# KiCad board spleeb.kicad_pcb (continued)
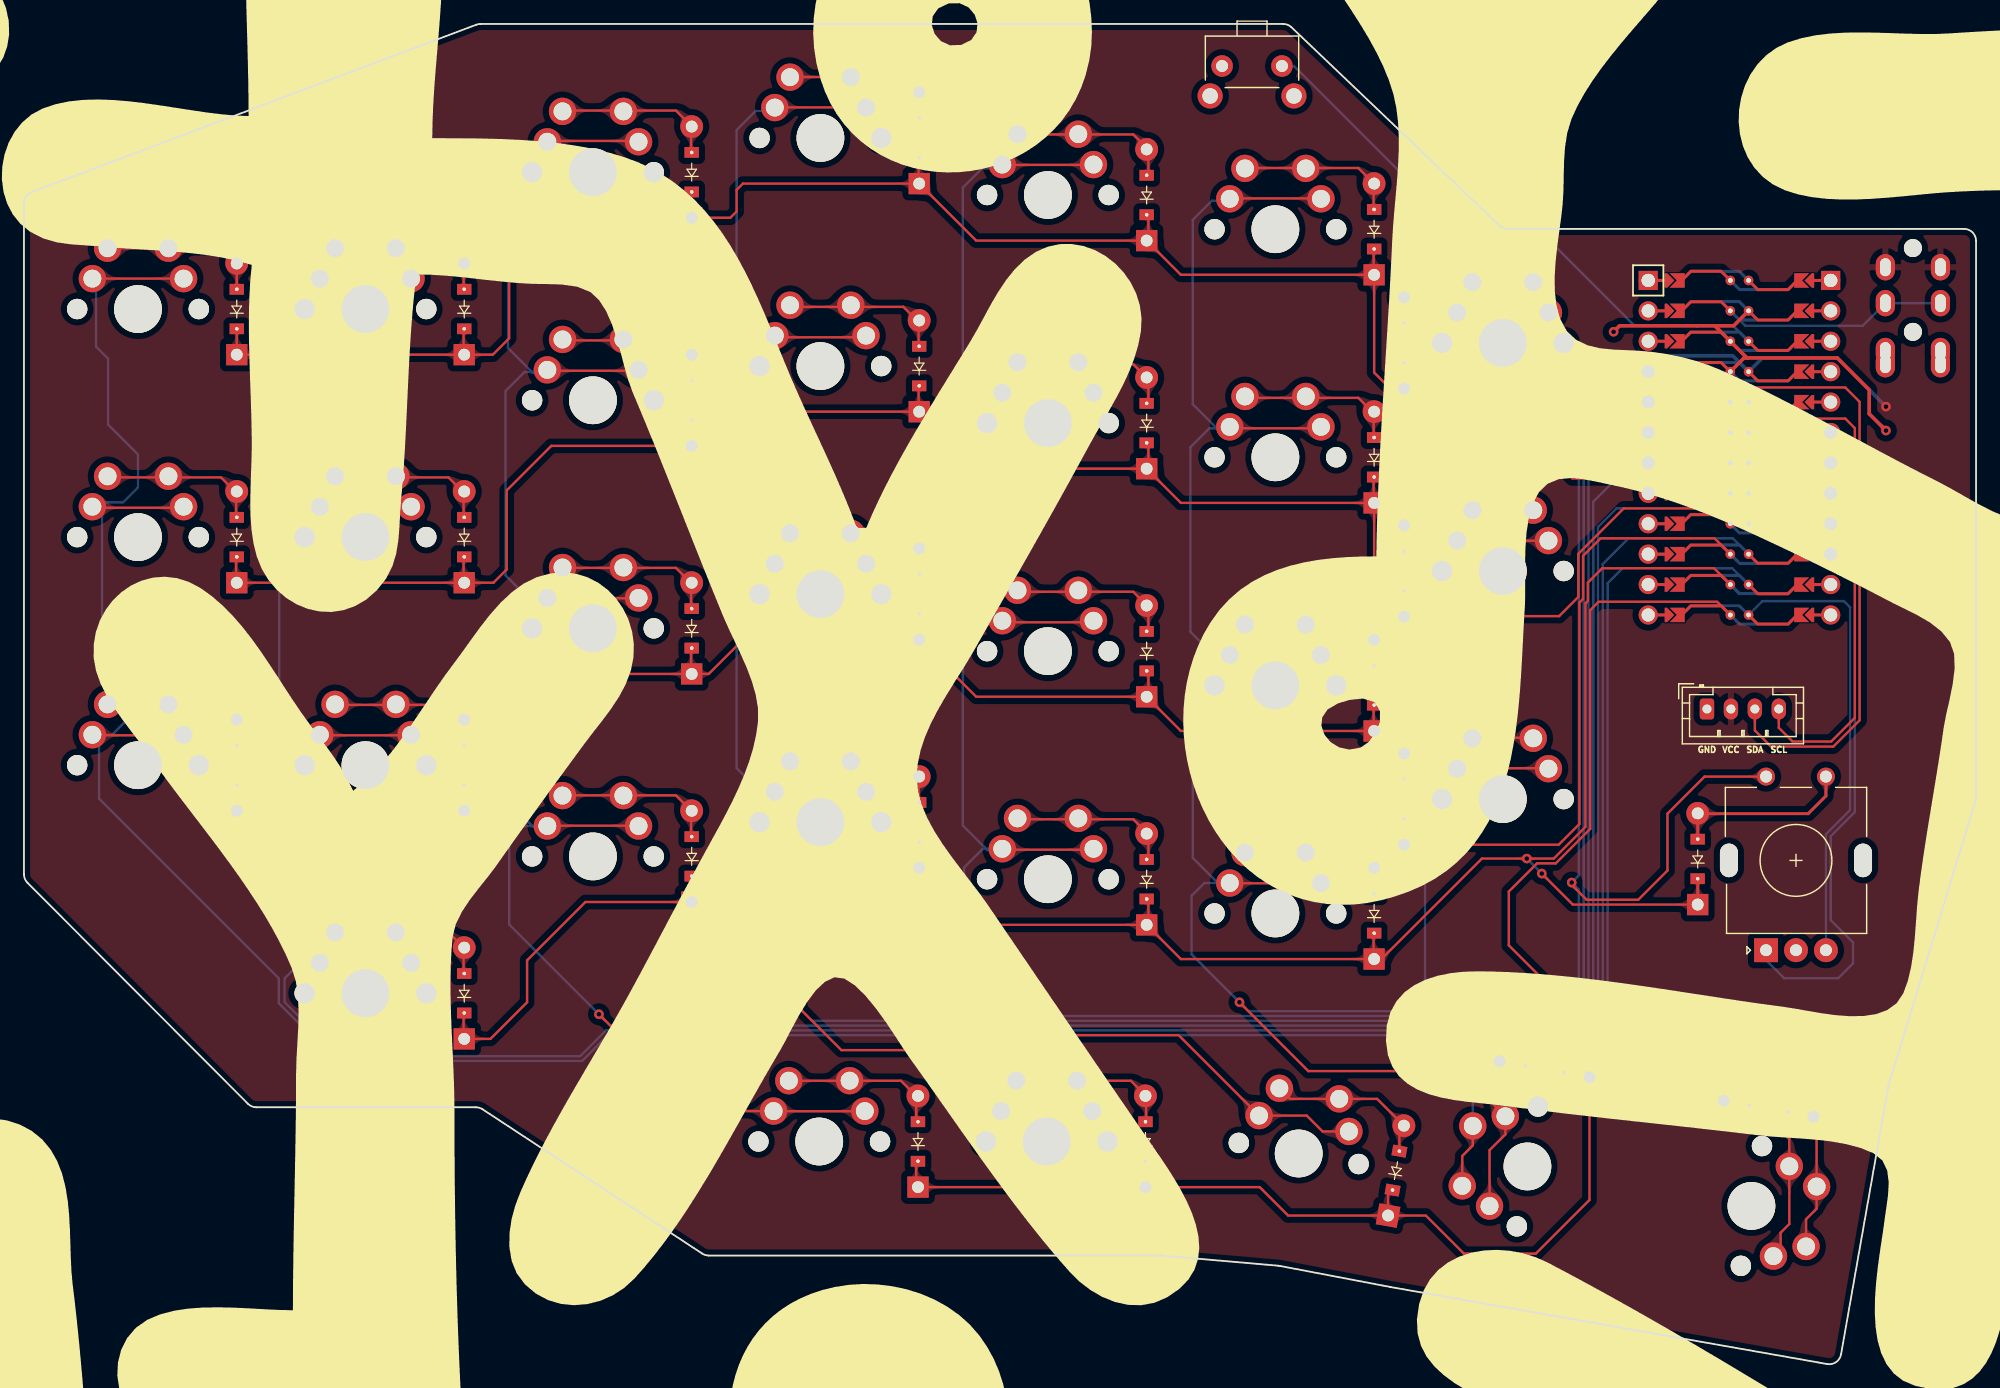
[diagram p0: board, top side]
## Copper pours and planes (outline as drawn; the poured copper is in the pictures) (continued)
index_col on Top: 83.99,81.06 83.73,81.08 83.52,81.12 83.35,81.19 83.21,81.28 83.08,81.39 82.96,81.51 82.84,81.64 82.71,81.78 82.55,81.93 82.36,82.08 81.15,81.22 82.05,80.04 82.29,80.13 82.49,80.23 82.66,80.34 82.82,80.45 82.96,80.56 83.11,80.65 83.27,80.74 83.47,80.8 83.7,80.85 83.99,80.86
index_col on Top: 87.2,100.06 87.46,100.04 87.67,100 87.83,99.93 87.97,99.84 88.1,99.73 88.34,99.5 88.49,99.37 88.66,99.26 88.86,99.15 89.91,100.2 88.81,101.2 88.61,101.08 88.45,100.96 88.31,100.83 88.19,100.71 88.08,100.59 87.96,100.48 87.82,100.39 87.66,100.32 87.45,100.28 87.2,100.26
index_col on Top: 87.2,61.86 87.47,61.84 87.68,61.8 87.86,61.73 88.01,61.64 88.14,61.54 88.27,61.43 88.41,61.31 88.56,61.2 88.75,61.1 88.97,61 89.9,62.16 88.71,63.04 88.53,62.91 88.38,62.77 88.26,62.64 88.15,62.51 88.04,62.39 87.93,62.28 87.8,62.19 87.64,62.12 87.45,62.08 87.2,62.06
index_col on Bottom: 79.73,81.42 79.89,81.27 80.02,81.14 80.14,81.03 80.25,80.94 80.44,80.77 80.54,80.68 80.65,80.58 80.77,80.47 80.91,80.33 82.26,81.31 80.93,81.97 80.82,81.86 80.72,81.76 80.62,81.65 80.52,81.56 80.42,81.49 80.31,81.43 80.21,81.41 80.1,81.42 79.99,81.47 79.87,81.56
index_col on Bottom: 79.74,99.44 79.92,99.59 80.1,99.66 80.26,99.67 80.42,99.62 80.58,99.54 80.75,99.43 80.92,99.32 81.11,99.21 81.32,99.11 81.55,99.06 82.26,100.36 80.91,100.99 80.74,100.83 80.6,100.68 80.48,100.55 80.38,100.43 80.18,100.2 80.06,100.07 79.94,99.93 79.78,99.77 79.6,99.58
index_col on Bottom: 79.73,43.52 79.9,43.35 80.04,43.2 80.16,43.07 80.25,42.96 80.43,42.74 80.53,42.63 80.63,42.51 80.76,42.38 80.91,42.23 82.28,43.1 81.1,44 80.96,43.9 80.83,43.8 80.71,43.71 80.59,43.62 80.48,43.55 80.36,43.5 80.25,43.48 80.13,43.5 80.01,43.55 79.87,43.66
index_col on Bottom: 79.64,80.54 79.83,80.7 80.01,80.76 80.18,80.76 80.34,80.7 80.5,80.6 80.66,80.47 80.84,80.34 81.03,80.2 81.24,80.09 81.48,80.02 82.27,81.27 80.91,81.94 80.74,81.78 80.6,81.65 80.47,81.54 80.34,81.44 80.11,81.24 79.98,81.14 79.84,81.01 79.68,80.86 79.49,80.68
index_col on Bottom: 79.69,42.49 79.85,42.63 80,42.69 80.15,42.7 80.29,42.66 80.42,42.58 80.56,42.48 80.71,42.36 80.87,42.23 81.03,42.11 81.22,42.01 82.29,43.04 80.91,43.84 80.75,43.69 80.61,43.56 80.48,43.45 80.37,43.36 80.14,43.17 80.02,43.07 79.88,42.95 79.73,42.81 79.55,42.63
index_col on Bottom: 79.74,61.54 79.91,61.68 80.07,61.74 80.21,61.74 80.36,61.68 80.5,61.59 80.64,61.47 80.79,61.34 80.96,61.21 81.14,61.1 81.34,61.01 82.28,62.15 80.91,62.89 80.75,62.74 80.62,62.61 80.5,62.5 80.38,62.41 80.17,62.22 80.05,62.12 79.92,62 79.77,61.86 79.6,61.68
index_col on Bottom: 79.63,62.32 79.8,62.17 79.94,62.04 80.07,61.94 80.18,61.85 80.4,61.7 80.51,61.62 80.63,61.53 80.76,61.42 80.91,61.28 82.27,62.22 80.98,62.96 80.85,62.85 80.73,62.72 80.61,62.6 80.5,62.49 80.38,62.4 80.27,62.33 80.15,62.3 80.03,62.3 79.91,62.36 79.77,62.46
index_home on Top: 85.27,64.6 85,64.62 84.79,64.66 84.62,64.73 84.47,64.82 84.34,64.92 84.22,65.05 84.09,65.18 83.96,65.31 83.79,65.45 83.59,65.59 82.42,64.69 83.37,63.55 83.61,63.65 83.8,63.76 83.97,63.87 84.26,64.09 84.4,64.19 84.56,64.28 84.75,64.34 84.99,64.39 85.27,64.4
index_home on Top: 94.03,61.46 94.04,61.7 94.07,61.89 94.13,62.05 94.19,62.19 94.27,62.32 94.36,62.44 94.44,62.57 94.53,62.71 94.61,62.88 94.69,63.08 93.7,63.83 92.99,62.81 93.11,62.65 93.23,62.52 93.35,62.41 93.46,62.31 93.56,62.22 93.65,62.11 93.72,61.99 93.78,61.85 93.81,61.67 93.83,61.46
index_home on Top: 90.35,64.6 90.08,64.62 89.87,64.66 89.7,64.73 89.55,64.82 89.42,64.92 89.3,65.05 89.17,65.18 89.04,65.31 88.87,65.45 88.67,65.59 87.5,64.69 88.45,63.55 88.69,63.65 88.88,63.76 89.05,63.87 89.34,64.09 89.48,64.19 89.64,64.28 89.83,64.34 90.07,64.39 90.35,64.4
index_home on Top: 92.54,64.4 92.71,64.38 92.82,64.32 92.88,64.22 92.9,64.1 92.89,63.95 92.87,63.79 92.84,63.61 92.83,63.43 92.83,63.24 92.87,63.06 94.1,63.01 93.78,64.31 93.62,64.32 93.49,64.34 93.38,64.37 93.28,64.41 93.09,64.5 92.98,64.54 92.86,64.57 92.71,64.59 92.54,64.6
index_home on Top: 85.93,64.4 86.2,64.38 86.41,64.34 86.59,64.27 86.74,64.18 86.87,64.08 87,63.97 87.14,63.85 87.29,63.74 87.48,63.64 87.7,63.54 88.63,64.7 87.44,65.58 87.26,65.45 87.11,65.31 86.99,65.18 86.88,65.05 86.77,64.93 86.66,64.82 86.53,64.73 86.37,64.66 86.18,64.62 85.93,64.6
index_number on Top: 85.28,102.8 85.01,102.82 84.78,102.86 84.6,102.93 84.45,103.02 84.31,103.12 84.18,103.24 84.05,103.36 83.9,103.49 83.72,103.62 83.51,103.74 82.41,102.74 83.46,101.69 83.68,101.8 83.87,101.93 84.02,102.05 84.16,102.17 84.3,102.29 84.44,102.39 84.59,102.47 84.78,102.54 85,102.59 85.28,102.6
index_number on Top: 92.54,102.6 92.71,102.58 92.82,102.52 92.89,102.42 92.91,102.3 92.9,102.15 92.88,101.98 92.85,101.8 92.83,101.61 92.82,101.43 92.85,101.24 94.07,101.09 93.78,102.41 93.62,102.42 93.49,102.45 93.38,102.49 93.28,102.55 93.18,102.6 93.09,102.66 92.98,102.72 92.86,102.76 92.72,102.79 92.54,102.8
index_number on Top: 90.36,102.8 90.09,102.82 89.86,102.86 89.68,102.93 89.53,103.02 89.39,103.12 89.26,103.24 89.13,103.36 88.98,103.49 88.8,103.62 88.59,103.74 87.49,102.74 88.54,101.69 88.76,101.8 88.95,101.93 89.1,102.05 89.24,102.17 89.38,102.29 89.52,102.39 89.67,102.47 89.86,102.54 90.08,102.59 90.36,102.6
index_number on Top: 85.93,102.6 86.19,102.58 86.4,102.54 86.56,102.47 86.7,102.38 86.83,102.27 87.07,102.04 87.22,101.91 87.39,101.8 87.59,101.69 88.64,102.74 87.54,103.74 87.34,103.62 87.18,103.5 87.04,103.37 86.92,103.25 86.81,103.13 86.69,103.02 86.55,102.93 86.39,102.86 86.18,102.82 85.93,102.8
index_number on Top: 94.03,99.56 94.04,99.8 94.07,99.99 94.13,100.15 94.19,100.29 94.27,100.42 94.36,100.54 94.44,100.67 94.53,100.81 94.61,100.98 94.69,101.18 93.7,101.93 92.99,100.91 93.11,100.75 93.23,100.62 93.35,100.51 93.46,100.41 93.56,100.32 93.65,100.21 93.72,100.09 93.78,99.95 93.81,99.77 93.83,99.56
index_top on Top: 94.03,80.51 94.04,80.75 94.07,80.94 94.13,81.1 94.19,81.24 94.27,81.37 94.36,81.49 94.44,81.62 94.53,81.76 94.61,81.93 94.69,82.13 93.7,82.88 92.99,81.86 93.11,81.7 93.23,81.57 93.35,81.46 93.46,81.36 93.56,81.27 93.65,81.16 93.72,81.04 93.78,80.9 93.81,80.72 93.83,80.51
index_top on Top: 92.54,83.4 92.71,83.38 92.82,83.32 92.88,83.22 92.89,83.1 92.89,82.95 92.87,82.79 92.84,82.61 92.83,82.43 92.84,82.25 92.88,82.07 94.12,82.08 93.78,83.36 93.62,83.37 93.49,83.38 93.38,83.41 93.28,83.44 93.08,83.52 92.98,83.55 92.86,83.58 92.71,83.59 92.54,83.6
index_top on Top: 90.34,83.6 90.08,83.62 89.87,83.66 89.7,83.73 89.56,83.82 89.43,83.93 89.31,84.05 89.19,84.18 89.06,84.32 88.9,84.47 88.71,84.62 87.5,83.76 88.4,82.58 88.64,82.67 88.84,82.77 89.01,82.88 89.17,82.99 89.31,83.1 89.46,83.19 89.62,83.28 89.82,83.34 90.05,83.39 90.34,83.4
index_top on Top: 85.26,83.6 85,83.62 84.79,83.66 84.62,83.73 84.48,83.82 84.35,83.93 84.23,84.05 84.11,84.18 83.98,84.32 83.82,84.47 83.63,84.62 82.42,83.76 83.32,82.58 83.56,82.67 83.76,82.77 83.93,82.88 84.09,82.99 84.23,83.1 84.38,83.19 84.54,83.28 84.74,83.34 84.97,83.39 85.26,83.4
index_top on Top: 85.93,83.4 86.2,83.38 86.42,83.34 86.6,83.27 86.76,83.18 86.9,83.08 87.03,82.97 87.17,82.86 87.33,82.76 87.52,82.66 87.75,82.58 88.63,83.78 87.4,84.6 87.22,84.46 87.08,84.32 86.96,84.18 86.86,84.05 86.76,83.93 86.65,83.82 86.52,83.73 86.36,83.66 86.17,83.62 85.93,83.6
inner_bottom on Top: 104.77,42.6 105.05,42.59 105.27,42.54 105.46,42.47 105.61,42.39 105.75,42.28 105.88,42.17 106.02,42.05 106.18,41.92 106.36,41.8 106.58,41.68 107.64,42.73 106.55,43.74 106.33,43.62 106.16,43.49 106,43.36 105.87,43.24 105.74,43.12 105.6,43.02 105.45,42.93 105.27,42.86 105.04,42.82 104.77,42.8
inner_bottom on Top: 111.37,42.6 111.57,42.58 111.7,42.51 111.78,42.4 111.82,42.26 111.83,42.09 111.82,41.91 111.81,41.71 111.81,41.5 111.83,41.29 111.89,41.09 113.13,41.13 112.78,42.4 112.6,42.41 112.45,42.44 112.32,42.49 112.21,42.54 112.1,42.6 111.99,42.66 111.87,42.71 111.73,42.76 111.57,42.79 111.37,42.8
inner_bottom on Top: 109.3,42.8 109.03,42.82 108.82,42.86 108.64,42.93 108.49,43.02 108.36,43.12 108.24,43.24 108.11,43.36 107.96,43.49 107.79,43.62 107.58,43.74 106.49,42.73 107.55,41.68 107.76,41.8 107.94,41.92 108.09,42.04 108.22,42.17 108.35,42.28 108.48,42.38 108.63,42.47 108.81,42.54 109.03,42.59 109.3,42.6
inner_bottom on Top: 112.83,39.54 112.84,39.76 112.87,39.94 112.93,40.09 113,40.22 113.08,40.33 113.18,40.44 113.28,40.55 113.39,40.67 113.5,40.81 113.61,40.99 112.8,41.92 111.9,41.08 111.99,40.89 112.09,40.73 112.18,40.6 112.28,40.48 112.37,40.37 112.45,40.25 112.52,40.12 112.58,39.96 112.61,39.77 112.63,39.54
inner_bottom on Top: 104.22,42.8 103.95,42.82 103.74,42.86 103.56,42.93 103.41,43.02 103.28,43.12 103.16,43.24 103.03,43.36 102.88,43.49 102.71,43.62 102.5,43.74 101.41,42.73 102.47,41.68 102.68,41.8 102.86,41.92 103.01,42.04 103.14,42.17 103.27,42.28 103.4,42.38 103.55,42.47 103.73,42.54 103.95,42.59 104.22,42.6
inner_col on Top: 102.95,97.46 102.68,97.48 102.46,97.52 102.28,97.59 102.13,97.68 102,97.78 101.87,97.89 101.73,98.02 101.58,98.14 101.4,98.26 101.18,98.37 100.14,97.31 101.24,96.32 101.45,96.44 101.62,96.57 101.77,96.7 101.9,96.82 102.02,96.94 102.15,97.04 102.3,97.13 102.47,97.2 102.68,97.25 102.95,97.26
inner_col on Top: 122.05,22.24 122.23,22.04 122.36,21.85 122.44,21.67 122.49,21.5 122.51,21.33 122.52,21.16 122.53,20.98 122.55,20.78 122.59,20.56 122.66,20.32 124.14,20.29 124.11,21.78 123.87,21.85 123.66,21.89 123.46,21.9 123.28,21.91 123.1,21.92 122.93,21.95 122.76,21.99 122.59,22.08 122.4,22.2 122.19,22.38
inner_col on Top: 122.31,15.48 122.3,15.2 122.25,14.98 122.19,14.8 122.1,14.65 122,14.51 121.88,14.38 121.76,14.24 121.63,14.09 121.51,13.91 121.39,13.69 122.41,12.62 123.44,13.69 123.32,13.91 123.2,14.09 123.07,14.24 122.95,14.38 122.83,14.51 122.73,14.65 122.64,14.8 122.57,14.98 122.53,15.2 122.51,15.48
inner_col on Top: 102.95,59.26 102.69,59.28 102.48,59.32 102.3,59.39 102.16,59.48 102.03,59.58 101.91,59.7 101.78,59.83 101.64,59.96 101.48,60.1 101.28,60.22 100.14,59.26 101.15,58.17 101.37,58.28 101.56,58.39 101.71,58.51 101.98,58.74 102.12,58.85 102.27,58.93 102.45,59 102.68,59.05 102.95,59.06
inner_col on Top: 102.95,40.26 102.68,40.28 102.47,40.32 102.29,40.39 102.14,40.48 102.01,40.58 101.89,40.7 101.76,40.82 101.61,40.95 101.44,41.08 101.23,41.2 100.14,40.19 101.2,39.14 101.41,39.26 101.59,39.38 101.74,39.5 101.87,39.63 102,39.74 102.13,39.84 102.28,39.93 102.46,40 102.68,40.05 102.95,40.06
inner_col on Top: 106.05,78.06 106.33,78.05 106.56,78 106.75,77.94 106.92,77.85 107.06,77.75 107.35,77.53 107.51,77.41 107.71,77.3 107.94,77.2 108.9,78.34 107.73,79.25 107.53,79.11 107.37,78.97 107.23,78.84 107.1,78.7 106.98,78.58 106.85,78.48 106.71,78.39 106.53,78.32 106.32,78.28 106.05,78.26
inner_col on Top: 106.04,97.26 106.31,97.25 106.53,97.2 106.72,97.13 106.87,97.05 107,96.94 107.13,96.83 107.27,96.7 107.42,96.57 107.59,96.44 107.81,96.31 108.91,97.31 107.87,98.37 107.64,98.25 107.46,98.13 107.3,98.01 107.16,97.89 107.03,97.78 106.89,97.67 106.73,97.59 106.54,97.52 106.32,97.48 106.04,97.46
inner_col on Top: 102.95,78.26 102.69,78.28 102.48,78.32 102.31,78.39 102.17,78.48 102.05,78.59 101.93,78.71 101.81,78.84 101.67,78.97 101.52,79.11 101.32,79.25 100.15,78.34 101.1,77.2 101.33,77.3 101.52,77.41 101.68,77.52 101.83,77.64 101.96,77.75 102.1,77.85 102.26,77.93 102.45,78 102.67,78.05 102.95,78.06
inner_col on Top: 106.04,59.06 106.32,59.05 106.55,59 106.74,58.94 106.9,58.85 107.04,58.75 107.18,58.64 107.32,58.52 107.48,58.4 107.67,58.28 107.9,58.17 108.91,59.26 107.78,60.23 107.57,60.09 107.4,59.96 107.25,59.83 107.12,59.7 106.99,59.58 106.86,59.48 106.71,59.39 106.53,59.32 106.31,59.28 106.04,59.26
inner_col on Top: 106.04,40.06 106.32,40.05 106.54,40 106.73,39.93 106.88,39.85 107.02,39.74 107.15,39.63 107.29,39.51 107.45,39.38 107.63,39.26 107.85,39.14 108.91,40.19 107.82,41.2 107.6,41.08 107.43,40.95 107.27,40.82 107.14,40.7 107.01,40.58 106.87,40.48 106.72,40.39 106.54,40.32 106.31,40.28 106.04,40.26
inner_col on Top: 123.26,18.56 123.44,18.74 123.59,18.9 123.71,19.03 123.83,19.14 124.13,19.47 124.25,19.59 124.39,19.73 124.55,19.89 123.74,21.27 122.71,20.2 122.81,20.02 122.92,19.86 123.14,19.56 123.23,19.42 123.3,19.29 123.33,19.15 123.31,19.01 123.25,18.86 123.12,18.7
inner_col on Bottom: 98.7,41.05 98.89,40.85 99.04,40.66 99.16,40.49 99.25,40.33 99.33,40.18 99.41,40.03 99.5,39.88 99.6,39.73 99.73,39.56 99.91,39.37 101.28,40.11 100.34,41.26 100.16,41.19 100,41.12 99.84,41.05 99.7,40.99 99.56,40.95 99.42,40.93 99.28,40.93 99.14,40.98 99,41.06 98.84,41.2
inner_col on Bottom: 98.73,59.72 98.9,59.55 99.04,59.4 99.16,59.27 99.26,59.15 99.43,58.94 99.53,58.83 99.63,58.71 99.76,58.57 99.91,58.42 101.28,59.29 100.1,60.19 99.97,60.1 99.84,60 99.71,59.9 99.59,59.82 99.48,59.75 99.36,59.7 99.25,59.68 99.13,59.7 99.01,59.75 98.87,59.86
inner_col on Bottom: 98.54,39.99 98.73,40.14 98.9,40.19 99.05,40.17 99.2,40.09 99.35,39.95 99.49,39.79 99.65,39.62 99.82,39.44 100.01,39.28 100.22,39.15 101.29,40.18 99.91,40.99 99.75,40.85 99.6,40.75 99.46,40.68 99.32,40.63 99.18,40.58 99.04,40.54 98.89,40.48 98.74,40.4 98.58,40.29 98.4,40.13
inner_col on Bottom: 98.69,78.96 98.88,78.77 99.02,78.6 99.14,78.45 99.24,78.32 99.41,78.06 99.51,77.93 99.61,77.79 99.74,77.64 99.91,77.47 101.29,78.31 100.17,79.28 100.02,79.19 99.87,79.11 99.74,79.03 99.61,78.96 99.48,78.91 99.36,78.88 99.23,78.88 99.11,78.91 98.97,78.98 98.83,79.1
inner_col on Bottom: 98.94,58.84 99.08,58.95 99.2,58.99 99.32,58.98 99.43,58.92 99.54,58.82 99.65,58.71 99.76,58.58 99.89,58.44 100.02,58.32 100.18,58.22 101.29,59.21 99.91,60.04 99.77,59.9 99.66,59.79 99.56,59.7 99.28,59.45 99.18,59.36 99.07,59.25 98.95,59.13 98.8,58.98
inner_col on Bottom: 98.74,77.74 98.91,77.88 99.06,77.94 99.21,77.94 99.35,77.88 99.49,77.79 99.64,77.67 99.79,77.54 99.95,77.41 100.13,77.29 100.34,77.2 101.28,78.34 99.91,79.09 99.75,78.93 99.62,78.81 99.5,78.7 99.38,78.6 99.17,78.42 99.05,78.31 98.92,78.2 98.77,78.05 98.6,77.88
inner_col on Bottom: 98.94,96.74 99.1,96.87 99.24,96.92 99.38,96.91 99.51,96.85 99.64,96.76 99.77,96.64 99.91,96.52 100.06,96.4 100.24,96.29 100.43,96.22 101.28,97.44 99.91,98.14 99.76,97.99 99.65,97.86 99.55,97.75 99.46,97.64 99.29,97.43 99.2,97.32 99.09,97.19 98.96,97.05 98.8,96.88
inner_home on Top: 109.3,61.8 109.04,61.82 108.83,61.86 108.65,61.93 108.51,62.02 108.38,62.12 108.26,62.24 108.13,62.37 107.99,62.5 107.83,62.64 107.63,62.76 106.49,61.8 107.5,60.71 107.72,60.82 107.91,60.93 108.06,61.05 108.33,61.28 108.47,61.39 108.62,61.47 108.8,61.54 109.03,61.59 109.3,61.6
inner_home on Top: 112.83,58.59 112.84,58.81 112.87,58.99 112.93,59.14 113,59.27 113.08,59.38 113.18,59.49 113.28,59.6 113.39,59.72 113.5,59.86 113.61,60.04 112.8,60.97 111.9,60.13 111.99,59.94 112.09,59.78 112.18,59.65 112.28,59.53 112.37,59.42 112.45,59.3 112.52,59.17 112.58,59.01 112.61,58.82 112.63,58.59
inner_home on Top: 104.22,61.8 103.96,61.82 103.75,61.86 103.57,61.93 103.43,62.02 103.3,62.12 103.18,62.24 103.05,62.37 102.91,62.5 102.75,62.64 102.55,62.76 101.41,61.8 102.42,60.71 102.64,60.82 102.83,60.93 102.98,61.05 103.25,61.28 103.39,61.39 103.54,61.47 103.72,61.54 103.95,61.59 104.22,61.6
inner_home on Top: 104.77,61.6 105.05,61.59 105.28,61.54 105.47,61.48 105.63,61.39 105.77,61.29 105.91,61.18 106.05,61.06 106.21,60.94 106.4,60.82 106.63,60.71 107.64,61.8 106.51,62.77 106.3,62.63 106.13,62.5 105.98,62.37 105.85,62.24 105.72,62.12 105.59,62.02 105.44,61.93 105.26,61.86 105.04,61.82 104.77,61.8
inner_home on Top: 111.34,61.6 111.54,61.58 111.68,61.51 111.76,61.4 111.8,61.26 111.81,61.1 111.81,60.91 111.81,60.72 111.81,60.51 111.84,60.31 111.91,60.11 113.14,60.19 112.78,61.45 112.6,61.46 112.44,61.49 112.31,61.53 112.2,61.57 112.09,61.63 111.97,61.68 111.85,61.73 111.71,61.76 111.54,61.79 111.34,61.8
inner_number on Top: 109.3,100 109.03,100.02 108.81,100.06 108.63,100.13 108.48,100.22 108.35,100.32 108.22,100.43 108.08,100.56 107.93,100.68 107.75,100.8 107.53,100.91 106.49,99.85 107.59,98.86 107.8,98.98 107.97,99.11 108.12,99.24 108.25,99.36 108.37,99.48 108.5,99.58 108.65,99.67 108.82,99.74 109.03,99.79 109.3,99.8
inner_number on Top: 104.77,99.8 105.04,99.79 105.26,99.74 105.45,99.67 105.6,99.59 105.73,99.48 105.86,99.37 106,99.24 106.15,99.11 106.32,98.98 106.54,98.85 107.64,99.85 106.6,100.91 106.37,100.79 106.19,100.67 106.03,100.55 105.89,100.43 105.76,100.32 105.62,100.21 105.46,100.13 105.27,100.06 105.05,100.02 104.77,100
inner_number on Top: 112.83,96.73 112.84,96.95 112.87,97.12 112.93,97.27 113,97.39 113.09,97.5 113.18,97.6 113.29,97.71 113.39,97.83 113.5,97.97 113.61,98.14 112.8,99.07 111.9,98.23 111.99,98.04 112.08,97.89 112.18,97.76 112.28,97.65 112.37,97.54 112.45,97.42 112.52,97.29 112.58,97.14 112.61,96.95 112.63,96.73
inner_number on Top: 104.22,100 103.95,100.02 103.73,100.06 103.55,100.13 103.4,100.22 103.27,100.32 103.14,100.43 103,100.56 102.85,100.68 102.67,100.8 102.45,100.91 101.41,99.85 102.51,98.86 102.72,98.98 102.89,99.11 103.04,99.24 103.17,99.36 103.29,99.48 103.42,99.58 103.57,99.67 103.74,99.74 103.95,99.79 104.22,99.8
inner_number on Top: 111.4,99.8 111.6,99.78 111.73,99.71 111.81,99.6 111.84,99.46 111.85,99.29 111.84,99.1 111.82,98.9 111.81,98.69 111.83,98.48 111.88,98.27 113.12,98.27 112.78,99.55 112.6,99.56 112.45,99.6 112.33,99.65 112.22,99.71 112.12,99.78 112.01,99.84 111.89,99.9 111.76,99.95 111.6,99.99 111.4,100
inner_top on Top: 112.83,77.64 112.84,77.86 112.87,78.04 112.93,78.19 113,78.32 113.08,78.43 113.18,78.54 113.28,78.65 113.39,78.77 113.5,78.91 113.61,79.09 112.8,80.02 111.9,79.18 111.99,78.99 112.09,78.83 112.18,78.7 112.28,78.58 112.37,78.47 112.45,78.35 112.52,78.22 112.58,78.06 112.61,77.87 112.63,77.64
inner_top on Top: 104.78,80.6 105.06,80.59 105.29,80.54 105.48,80.48 105.65,80.39 105.79,80.29 106.08,80.07 106.24,79.95 106.44,79.84 106.67,79.74 107.63,80.88 106.46,81.79 106.26,81.65 106.1,81.51 105.96,81.38 105.83,81.24 105.71,81.12 105.58,81.02 105.44,80.93 105.26,80.86 105.05,80.82 104.78,80.8
inner_top on Top: 109.3,80.8 109.04,80.82 108.83,80.86 108.66,80.93 108.52,81.02 108.4,81.13 108.28,81.25 108.16,81.38 108.02,81.51 107.87,81.65 107.67,81.79 106.5,80.88 107.45,79.74 107.68,79.84 107.87,79.95 108.03,80.06 108.18,80.18 108.31,80.29 108.45,80.39 108.61,80.47 108.8,80.54 109.02,80.59 109.3,80.6
inner_top on Top: 111.34,80.6 111.54,80.58 111.67,80.51 111.76,80.4 111.8,80.26 111.81,80.1 111.81,79.92 111.81,79.72 111.82,79.52 111.85,79.32 111.92,79.12 113.15,79.26 112.78,80.5 112.6,80.51 112.45,80.53 112.32,80.57 112.2,80.61 112.09,80.65 111.97,80.7 111.85,80.74 111.71,80.77 111.54,80.79 111.34,80.8
inner_top on Top: 104.22,80.8 103.96,80.82 103.75,80.86 103.58,80.93 103.44,81.02 103.32,81.13 103.2,81.25 103.08,81.38 102.94,81.51 102.79,81.65 102.59,81.79 101.42,80.88 102.37,79.74 102.6,79.84 102.79,79.95 102.95,80.06 103.1,80.18 103.23,80.29 103.37,80.39 103.53,80.47 103.72,80.54 103.94,80.59 104.22,80.6
middle_bottom on Top: 66.77,50.2 67.05,50.19 67.27,50.14 67.46,50.07 67.62,49.99 67.76,49.89 67.89,49.77 68.03,49.65 68.19,49.53 68.38,49.41 68.6,49.29 69.64,50.36 68.53,51.35 68.32,51.22 68.14,51.09 67.99,50.96 67.86,50.84 67.73,50.72 67.6,50.62 67.44,50.53 67.26,50.46 67.04,50.42 66.77,50.4
middle_bottom on Top: 66.22,50.4 65.95,50.42 65.74,50.46 65.57,50.53 65.42,50.62 65.29,50.72 65.17,50.84 65.04,50.97 64.9,51.1 64.73,51.22 64.52,51.35 63.41,50.36 64.45,49.29 64.67,49.41 64.85,49.53 65,49.65 65.13,49.77 65.26,49.88 65.4,49.98 65.55,50.07 65.73,50.14 65.95,50.19 66.22,50.2
middle_bottom on Top: 74.83,47.16 74.84,47.38 74.87,47.56 74.93,47.71 75,47.84 75.08,47.95 75.18,48.06 75.28,48.17 75.39,48.29 75.5,48.43 75.61,48.61 74.8,49.54 73.9,48.7 73.99,48.51 74.09,48.35 74.18,48.22 74.28,48.1 74.37,47.99 74.45,47.87 74.52,47.74 74.58,47.58 74.61,47.39 74.63,47.16
middle_bottom on Top: 73.35,50.2 73.55,50.18 73.69,50.11 73.77,50 73.81,49.86 73.82,49.7 73.82,49.51 73.81,49.31 73.81,49.11 73.84,48.9 73.9,48.7 75.13,48.75 74.78,50.02 74.6,50.03 74.45,50.06 74.32,50.1 74.2,50.15 74.09,50.21 73.98,50.27 73.86,50.32 73.72,50.36 73.55,50.39 73.35,50.4
middle_bottom on Top: 71.3,50.4 71.03,50.42 70.82,50.46 70.65,50.53 70.5,50.62 70.37,50.72 70.25,50.84 70.12,50.97 69.98,51.1 69.81,51.22 69.6,51.35 68.49,50.36 69.53,49.29 69.75,49.41 69.93,49.53 70.08,49.65 70.21,49.77 70.34,49.88 70.48,49.98 70.63,50.07 70.81,50.14 71.03,50.19 71.3,50.2
middle_col on Top: 68.04,104.86 68.31,104.85 68.54,104.8 68.72,104.73 68.87,104.65 69.01,104.54 69.14,104.43 69.28,104.3 69.43,104.18 69.61,104.05 69.83,103.93 70.91,104.94 69.85,105.98 69.63,105.86 69.44,105.74 69.29,105.61 69.15,105.49 69.02,105.38 68.88,105.27 68.72,105.19 68.54,105.12 68.32,105.08 68.04,105.06
middle_col on Top: 64.95,85.86 64.69,85.88 64.48,85.92 64.32,85.99 64.18,86.08 64.05,86.19 63.94,86.31 63.82,86.44 63.69,86.58 63.53,86.72 63.34,86.86 62.15,85.97 63.08,84.82 63.32,84.91 63.51,85.02 63.67,85.13 63.82,85.24 63.95,85.35 64.1,85.45 64.26,85.53 64.44,85.6 64.67,85.65 64.95,85.66
middle_col on Top: 64.95,105.06 64.68,105.08 64.46,105.12 64.29,105.19 64.14,105.28 64,105.38 63.88,105.5 63.74,105.62 63.59,105.74 63.42,105.87 63.2,105.98 62.14,104.94 63.22,103.93 63.44,104.05 63.61,104.17 63.76,104.3 63.89,104.42 64.01,104.54 64.14,104.64 64.29,104.73 64.47,104.8 64.68,104.85 64.95,104.86
middle_col on Top: 87,21.02 87.27,21.01 87.49,20.96 87.66,20.89 87.81,20.8 87.95,20.7 88.07,20.58 88.2,20.46 88.35,20.34 88.53,20.21 88.74,20.1 89.81,21.13 88.73,22.15 88.52,22.03 88.34,21.91 88.2,21.78 88.07,21.66 87.94,21.54 87.81,21.44 87.66,21.35 87.48,21.28 87.27,21.24 87,21.22
middle_col on Top: 83.91,21.22 83.63,21.24 83.41,21.28 83.23,21.35 83.07,21.44 82.94,21.54 82.81,21.65 82.67,21.78 82.52,21.9 82.34,22.03 82.12,22.15 81.04,21.13 82.11,20.1 82.33,20.22 82.51,20.34 82.66,20.47 82.8,20.59 82.93,20.7 83.07,20.81 83.23,20.89 83.41,20.96 83.63,21.01 83.91,21.02
middle_col on Top: 79.34,21.27 79.51,21.1 79.68,20.98 79.82,20.89 79.96,20.83 80.1,20.77 80.23,20.71 80.36,20.65 80.5,20.57 80.65,20.46 80.81,20.32 82.19,21.13 81.12,22.16 80.91,22.03 80.73,21.88 80.57,21.72 80.41,21.56 80.27,21.41 80.12,21.3 79.98,21.22 79.82,21.21 79.66,21.27 79.48,21.41
middle_col on Top: 68.05,66.66 68.33,66.65 68.56,66.6 68.75,66.54 68.91,66.45 69.05,66.35 69.33,66.12 69.49,66 69.69,65.89 69.92,65.78 70.9,66.89 69.76,67.84 69.55,67.7 69.39,67.57 69.24,67.43 69.11,67.3 68.99,67.18 68.86,67.08 68.71,66.99 68.53,66.92 68.32,66.88 68.05,66.86
middle_col on Top: 68.05,85.66 68.34,85.65 68.57,85.6 68.76,85.54 68.92,85.45 69.07,85.35 69.21,85.25 69.36,85.13 69.53,85.02 69.72,84.91 69.96,84.82 70.9,85.97 69.72,86.86 69.52,86.72 69.36,86.58 69.22,86.44 69.1,86.31 68.98,86.19 68.85,86.08 68.7,85.99 68.53,85.92 68.31,85.88 68.05,85.86
middle_col on Top: 64.95,47.86 64.68,47.88 64.47,47.92 64.3,47.99 64.15,48.08 64.02,48.18 63.9,48.3 63.77,48.43 63.63,48.56 63.46,48.68 63.25,48.81 62.14,47.82 63.18,46.75 63.4,46.87 63.58,46.99 63.73,47.11 63.86,47.23 63.99,47.34 64.13,47.44 64.28,47.53 64.46,47.6 64.68,47.65 64.95,47.66
middle_col on Top: 68.04,47.66 68.32,47.65 68.54,47.6 68.73,47.53 68.89,47.45 69.03,47.35 69.16,47.23 69.3,47.11 69.46,46.99 69.65,46.87 69.87,46.75 70.91,47.82 69.8,48.81 69.59,48.68 69.41,48.55 69.26,48.42 69.13,48.3 69,48.18 68.87,48.08 68.71,47.99 68.53,47.92 68.31,47.88 68.04,47.86
middle_col on Top: 64.95,66.86 64.69,66.88 64.48,66.92 64.31,66.99 64.16,67.08 64.04,67.19 63.92,67.3 63.79,67.43 63.66,67.57 63.49,67.7 63.29,67.83 62.15,66.89 63.13,65.78 63.36,65.89 63.54,66 63.7,66.12 63.97,66.34 64.11,66.45 64.27,66.53 64.45,66.6 64.67,66.65 64.95,66.66
middle_col on Bottom: 60.69,48.46 60.87,48.27 61.02,48.11 61.14,47.96 61.24,47.83 61.41,47.57 61.51,47.45 61.61,47.31 61.74,47.16 61.91,46.99 63.29,47.84 62.15,48.79 62,48.7 61.86,48.62 61.73,48.53 61.6,48.46 61.48,48.41 61.35,48.38 61.23,48.38 61.1,48.41 60.97,48.49 60.83,48.6
middle_col on Bottom: 60.84,104.24 61.01,104.38 61.18,104.45 61.33,104.45 61.48,104.4 61.63,104.31 61.79,104.2 61.95,104.08 62.13,103.97 62.32,103.88 62.54,103.82 63.26,105.12 61.91,105.76 61.75,105.6 61.62,105.45 61.51,105.33 61.42,105.21 61.24,104.98 61.13,104.86 61.01,104.72 60.87,104.56 60.7,104.38
middle_col on Bottom: 60.66,85.26 60.85,85.41 61.02,85.48 61.18,85.49 61.34,85.43 61.5,85.34 61.66,85.23 61.83,85.1 62.01,84.98 62.21,84.87 62.44,84.79 63.27,86.02 61.91,86.71 61.74,86.54 61.6,86.41 61.47,86.29 61.35,86.18 61.12,85.98 61,85.87 60.86,85.74 60.7,85.59 60.52,85.4
middle_col on Bottom: 60.83,86.22 60.98,86.07 61.11,85.94 61.22,85.83 61.31,85.73 61.56,85.45 61.66,85.34 61.77,85.23 61.91,85.09 63.26,86.07 61.94,86.74 61.84,86.64 61.74,86.54 61.65,86.45 61.56,86.36 61.47,86.3 61.37,86.25 61.28,86.22 61.18,86.23 61.08,86.28 60.97,86.36
middle_col on Bottom: 60.84,66.34 61,66.47 61.14,66.52 61.28,66.51 61.41,66.46 61.54,66.36 61.67,66.24 61.81,66.11 61.96,65.99 62.13,65.87 62.31,65.78 63.28,66.9 61.91,67.66 61.76,67.51 61.63,67.39 61.52,67.28 61.12,66.9 61,66.78 60.86,66.65 60.7,66.48